# KiCad board Bread70.kicad_pcb (continued)
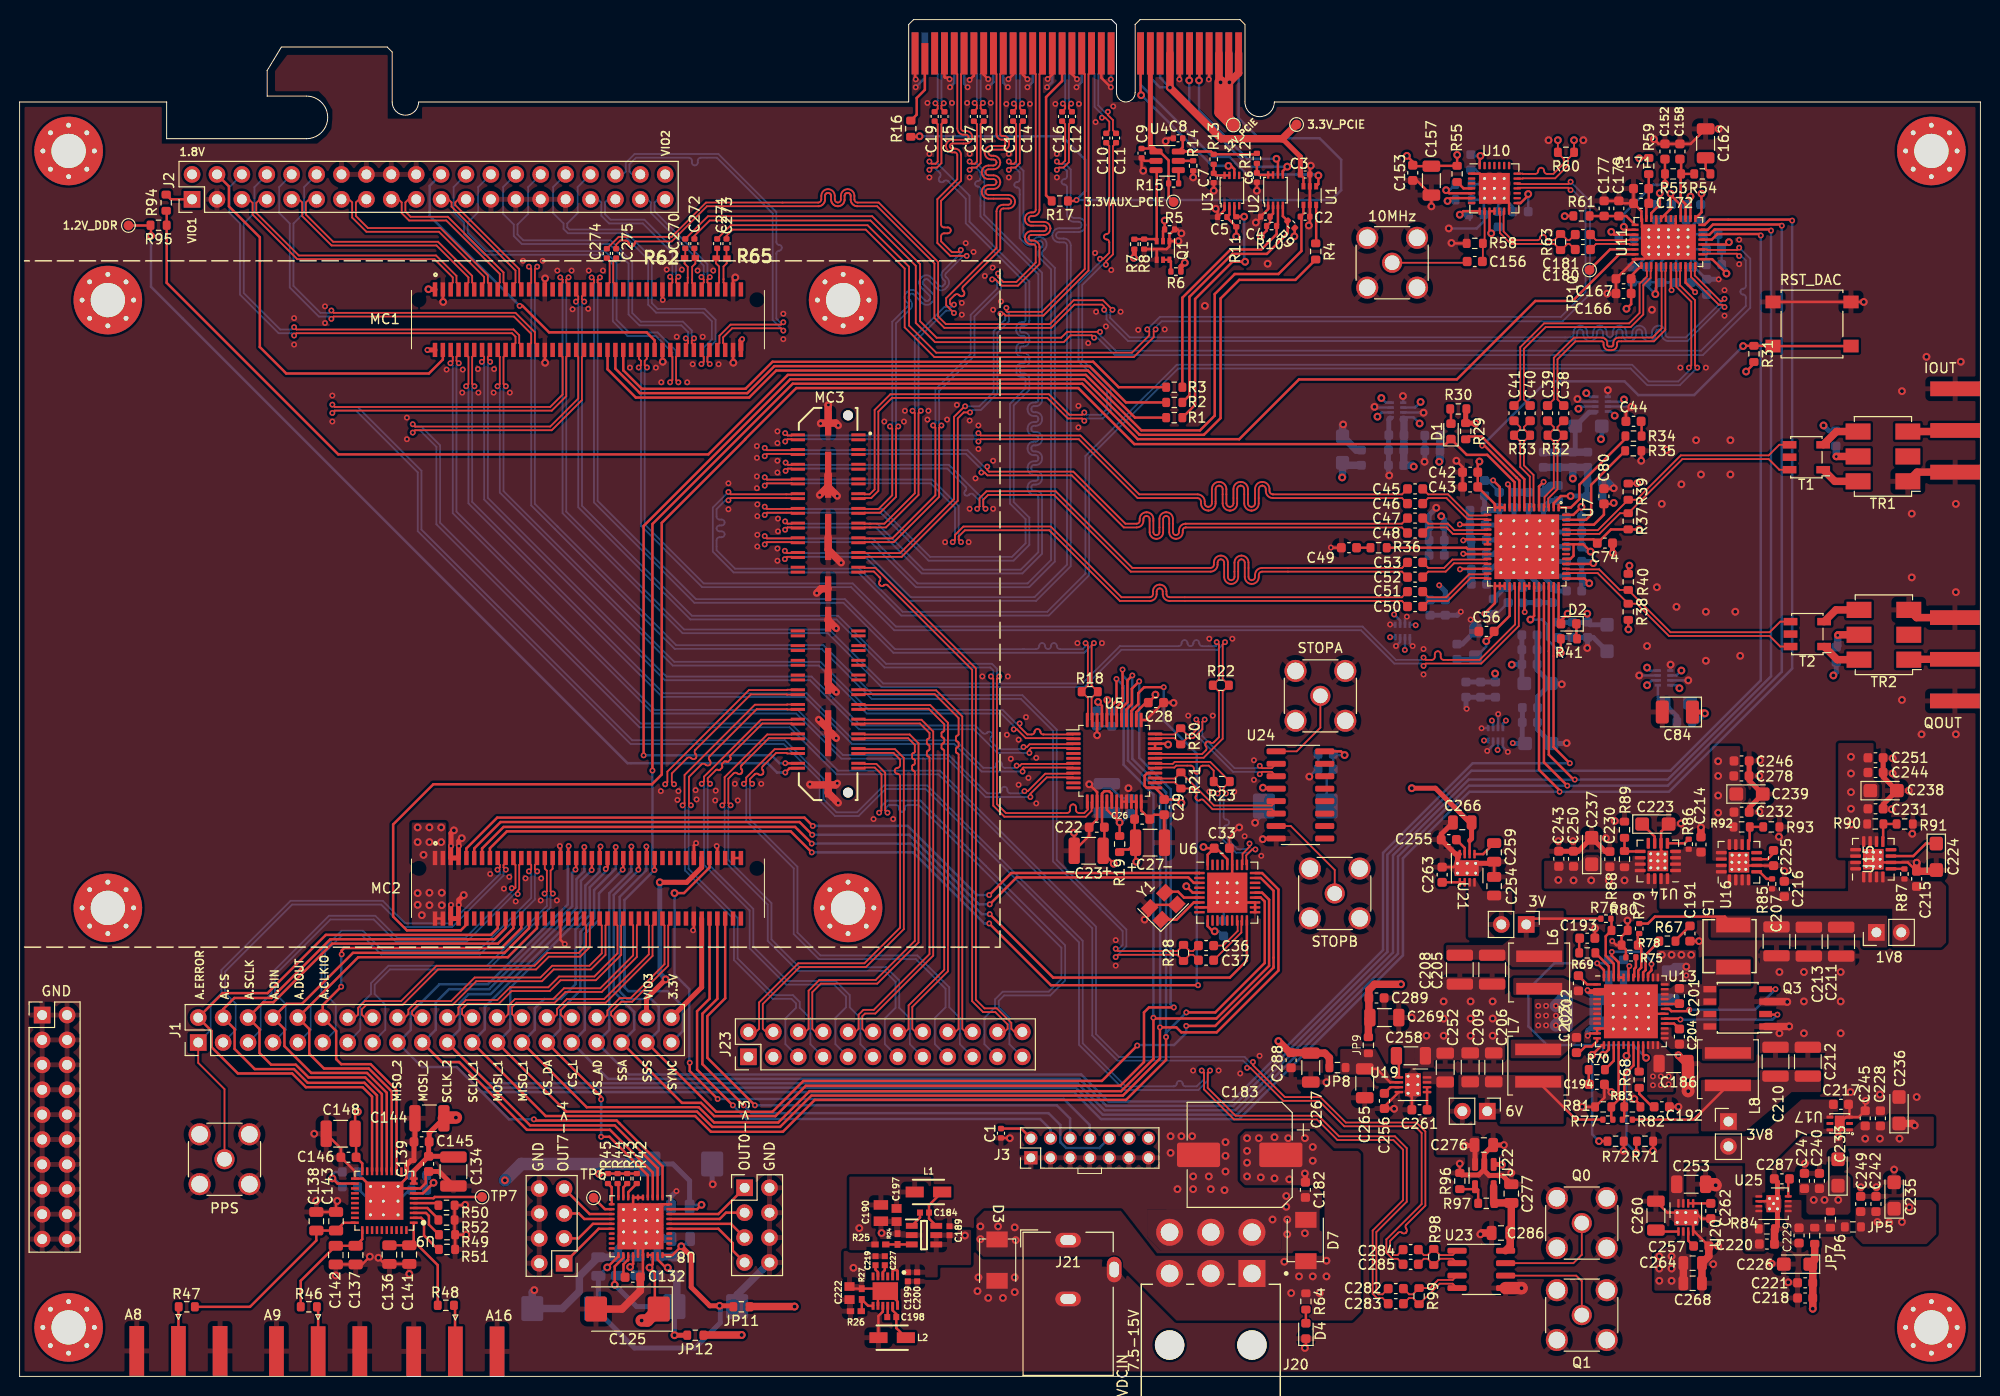
[diagram p0: board, top side]
## Nets (continued)
/MC12/B87_L1N: J4.32
/MC12/B87_L1P: J4.30
/MC12/B87_L2N: J4.12
/MC12/B87_L3N: J4.16
/MC12/B87_L3P: J4.14
/MC12/B87_L10N: J1.7 J4.23
/MC12/B87_L10P: J1.5 J4.21
/MC12/CLK+: C36.2 J5.25 R28.1
/MC12/CLK-: C37.2 J5.27 R28.2
/MC12/FRAMEAN: J5.20 U5.1
/MC12/FRAMEAP: J5.18 U5.2
/MC12/FRAMEBN: J5.12 U5.7
/MC12/FRAMEBP: J5.10 U5.8
/MC12/INT_CB: J4.11 U6.3
/MC12/JTAG_TCK: J3.6 J4.76
/MC12/JTAG_TDI: J3.10 J4.74
/MC12/JTAG_TDO: J3.8 J4.71
/MC12/JTAG_TMS: J3.4 J4.72
/MC12/LCLKINN: J5.43 R18.2 U5.48
/MC12/LCLKINP: J5.41 R18.1 U5.47
/MC12/LCLKOUTN: J5.39 U5.13
/MC12/LCLKOUTP: J5.37 U5.14
/MC12/LOL: J4.13 U6.18
/MC12/RSTIDXN: J5.35 R22.1 U5.32
/MC12/RSTIDXP: J5.33 R22.2 U5.31
/MC12/SDOAN: J5.16 U5.3
/MC12/SDOAP: J5.14 U5.4
/MC12/SDOBN: J5.8 U5.9
/MC12/SDOBP: J5.6 U5.10
/MC12/XADC_VN_C: J4.80
/MC12/XADC_VP_C: J4.78
/MC12/~{RST}: J4.9 U6.1
/PCIe/PCIE_C_RX0N: C16.1 J8.A17
/PCIe/PCIE_C_RX0P: C12.1 J8.A16
/PCIe/PCIE_C_RX1N: C18.1 J8.A22
/PCIe/PCIE_C_RX1P: C14.1 J8.A21
/PCIe/PCIE_C_RX2N: C17.1 J8.A26
/PCIe/PCIE_C_RX2P: C13.1 J8.A25
/PCIe/PCIE_C_RX3N: C19.1 J8.A30
/PCIe/PCIE_C_RX3P: C15.1 J8.A29
/PCIe/PCIE_PERST_B_3V3: J8.A11 U1.4
/PCIe/PCIE_PERST_VIO: C2.1 R94.2 R95.1 U1.1
/PCIe/PCIE_PRSNT1_B: J8.A1 R16.1 R17.1
/PCIe/PCIE_REFCLK_N: C10.2 J8.A14
/PCIe/PCIE_REFCLK_P: C11.2 J8.A13
/PCIe/PCIE_SMCLK_3V3: J8.B5 U2.6
/PCIe/PCIE_SMDAT_3V3: J8.B6 U2.5
/PCIe/PCIE_VIO_PG: Q1.3 R7.2 R8.1 U4.3
/PCIe/PCIE_WAKE_B_3V3: J8.B11 U3.6
/PCIE_PERST_B_VIO: R4.1 U1.3
/PCIE_SMCLK_VIO: R3.1 R10.2 U2.3
/PCIE_SMDAT_VIO: R2.1 R9.2 U2.4
/PCIE_WAKE_B_VIO: R1.1 R11.2 U3.3
/Power/Switching/DL1: Q3.4 U13.31
/Power/Switching/DL2: Q3.2 U13.29
/Power/Switching/SW1: C201.2 L5.1 Q3.5 Q3.6 U13.33 U13.34 U13.35
/Power/Switching/SW2: C204.2 L8.1 Q3.7 Q3.8 U13.25 U13.26 U13.27
/Power/Switching/VREG: C196.2 U13.14 U13.21 U13.39 U13.44 U13.45 U13.48
/SSA: J1.35 J4.53 U5.40
/SSS: J1.37 J4.55 U6.26
/Tdc/CLKIN+: C36.1 U6.16
/Tdc/CLKIN-: C37.1 U6.17
/Tdc/INTERRUPT: J4.15 U5.39
/Tdc/REFCLKN: R23.1 U5.30 U6.29
/Tdc/REFCLKP: R23.2 U5.29 U6.28
/Tdc/STOPAN: R20.2 U5.35 U24.2
/Tdc/STOPAP: R20.1 U5.36 U24.3
/Tdc/STOPBN: R21.1 U5.27 U24.5
/Tdc/STOPBP: R21.2 U5.26 U24.6
/Tdc/TVDD18: C26.1 C27.1 C28.2 R19.1 U5.22 U5.23 U5.38
/TTLgate/IN1_N: C285.1 R98.2 U23.2
/TTLgate/IN1_P: C284.2 R98.1 U23.1
/TTLgate/IN2_N: C283.1 R99.2 U23.4
/TTLgate/IN2_P: C282.2 R99.1 U23.3
/~{IRQ}: D1.1 J4.10 U7.10
ADA_3V3: C127.1 C130.1 C146.1 C148.1 C218.1 C221.1 C226.1 JP7.1 R42.1 R43.1 R44.1 R45.1 U8.9 U9.20
ADA_5V: C125.1 C128.1 C134.1 C139.1 C144.1 C145.1 C267.1 C288.1 JP8.2 U8.37 U8.38 U9.9 U9.10
DAC_REFCLK_N: C39.2 U11.5
DAC_REFCLK_P: C38.2 U11.6
DAC_SYSREF_N: C41.2 U11.2
DAC_SYSREF_P: C40.2 U11.3
FPGA10_N: C273.2 J5.75 R65.2
FPGA10_P: C271.2 J5.73 R65.1
FPGA_FREE_N: C272.2 J5.67 R62.2
FPGA_FREE_P: C270.2 J5.65 R62.1
FPGA_SYSREF_N: C275.2 J5.47
FPGA_SYSREF_P: C274.2 J5.45
IOVDD: C56.2 C57.2 C60.2 C61.2 C63.2 C66.1 C70.1 C233.1 C240.1 C247.1 D2.2 JP6.2 R29.2 R30.2 R31.1 U7.32 U7.42
MISO_1: J1.27 J4.45 U5.43 U6.23
MISO_2: J1.17 J4.35 U7.38 U8.11 U11.20
MOSI_1: J1.25 J4.43 U5.42 U6.27
MOSI_2: J1.19 J4.37 U7.39 U8.13 U11.19
PCIE_CLK_N: C10.1 J7.17
PCIE_CLK_P: C11.1 J7.19
SCLK_1: J1.23 J4.41 U5.41 U6.22
SCLK_2: J1.21 J4.39 U7.40 U8.12 U11.18
SYNC_CLOCKCHIP: J1.39 J4.57 U11.39
SYNCOUTB_N: J5.56 U7.33
SYNCOUTB_P: J5.54 U7.34
T1_N: J7.60 R60.2 U10.21
T1_P: J7.58 R60.1 U10.20
VDCIN: C182.1 C183.1 C185.1 C186.1 C187.1 C188.1 C189.2 C199.2 C200.2 D3.1 D7.1 IC1.4 IC1.5 IC2.1 IC2.2 J4.1 J4.2 J4.3 J4.4 J20.1 J20.2 J20.3 J21.1 R64.1 U13.6 U13.7 U13.22 U13.23 U13.24 U13.36 U13.37 U13.38
VIO1: C4.1 C5.1 J2.1 J5.1 Q1.2 R5.1 R9.1 R10.1 R11.1 R94.1 U2.2 U3.2
VIO2: J2.40 J5.80
VIO3: J1.38 J4.69
VREF1: J2.4 J5.4
Net-(C44-Pad2): C44.2 R34.2
Net-(C49-Pad1): C49.1 R36.1
Net-(C54-Pad2): C54.2 TR1.5
Net-(C55-Pad2): C55.2 TR2.5
Net-(C162-Pad2): C162.2 R54.1
Net-(C191-Pad2): C191.2 R67.1
Net-(C192-Pad2): C192.2 R68.1
Net-(C193-Pad2): C193.2 R69.1
Net-(C194-Pad2): C194.2 R70.1
Net-(C202-Pad2): C202.2 L6.1 U13.4 U13.5
Net-(C203-Pad2): C203.2 L7.1 U13.8 U13.9
Net-(D1-A): D1.2 R30.1
Net-(D2-K): D2.1 R41.1
Net-(D4-A): D4.2 R64.2
Net-(IC1-CB): C184.2 IC1.1
Net-(IC1-FB): IC1.3 R24.1 R25.2
Net-(IC1-SW): C184.1 IC1.6 L1.1
Net-(IC2-BST): C198.2 IC2.10
Net-(IC2-FB): IC2.7 R26.1 R27.1
Net-(IC2-LX): C198.1 IC2.11 L2.1
Net-(IC2-SS): C227.2 IC2.4
Net-(IC2-VCC): C219.1 IC2.5
Net-(J8-~{PRSNT2}-PadB17): J8.B17 R17.2
Net-(J8-~{PRSNT2}-PadB31): J8.B31 R16.2
Net-(J10-In): J10.1 R48.2
Net-(J11-In): J11.1 U24.1
Net-(J12-In): J12.1 U24.7
Net-(J13-In): J13.1 TR2.1
Net-(J14-In): J14.1 TR1.3
Net-(J16-In): J16.1 R46.2
Net-(J17-In): J17.1 R47.2
Net-(J18-In): J18.1 U23.6
Net-(J19-In): C156.1 J19.1
Net-(J22-In): J22.1 U23.7
Net-(JP5-A): C229.1 JP5.1 JP6.1 JP7.2 U25.5 U25.6 U25.7
Net-(Q1A-D): Q1.5 Q1.6 R6.2
Net-(SW1-B): R31.2 SW1.2 U7.9
Net-(T1-Pad1): T1.1 TR1.6
Net-(T1-Pad2): T1.2 TR1.4
Net-(T2-Pad1): T2.1 TR2.6
Net-(T2-Pad2): T2.2 TR2.4
Net-(U2-EN): C6.1 R12.1 U2.7 U2.8
Net-(U3-EN): C7.1 R13.1 U3.7 U3.8
Net-(U4-ILIM): R14.1 U4.5
Net-(U4-~{FAULT}): R15.1 U4.4
Net-(U6-XA): U6.6 Y1.3
Net-(U6-XB): U6.7 Y1.1
Net-(U7-I120): R35.1 U7.55
Net-(U7-LDO_BYP1): R36.2 U7.22
Net-(U7-LDO_BYP2): R34.1 U7.1
Net-(U7-PROTECT_OUT): R41.2 U7.37
Net-(U7-TXEN): R29.1 U7.8
Net-(U8-REF): C132.2 U8.33
Net-(U8-REFCMP): C131.2 U8.34
Net-(U9-REGCAPA): C135.2 C140.2 U9.7
Net-(U9-REGCAPD): C147.2 C149.2 U9.22
Net-(U10-EN): R55.2 U10.4
Net-(U10-IN0_N): C170.2 U10.10 U10.11
Net-(U10-IN0_P): C156.2 R58.1 U10.9
Net-(U10-IN1_N): R57.2 U10.6
Net-(U10-IN1_P): R56.2 U10.5
Net-(U11-BB): C173.2 U11.22
Net-(U11-BVCO): C176.2 U11.30
Net-(U11-CMa): C175.2 U11.24 U11.26 U11.27 U11.28
Net-(U11-STAT): TP10.1 U11.38
Net-(U11-Vcp+): C177.1 C179.1 R61.2 U11.33
Net-(U11-Vvco+): C171.1 C172.1 R59.2 U11.31
Net-(U13-BST1): C201.1 U13.32
Net-(U13-BST2): C204.1 U13.28
Net-(U13-BST3): C202.1 U13.1
Net-(U13-BST4): C203.1 U13.12
Net-(U13-CFG12): R71.1 U13.18
Net-(U13-CFG34): R72.1 U13.13
Net-(U13-COMP1): R67.2 U13.40
Net-(U13-COMP2): R68.2 U13.20
Net-(U13-COMP3): R69.2 U13.47
Net-(U13-COMP4): R70.2 U13.15
Net-(U13-FB1): R78.1 R79.1 U13.41
Net-(U13-FB2): R82.1 R83.1 U13.19
Net-(U13-FB3): R76.1 R80.1 U13.46
Net-(U13-FB4): R77.1 R81.1 U13.16
Net-(U13-RT): R75.2 U13.42
Net-(U14-ADJ): R88.2 R89.1 U14.9
Net-(U14-PG): R86.2 U14.5
Net-(U14-SS): C223.1 U14.7
Net-(U15-ADJ): R90.2 R91.1 U15.9
Net-(U15-PG): R87.2 U15.5
Net-(U15-SS): C224.1 U15.7
Net-(U16-ADJ): R92.2 R93.1 U16.9
Net-(U16-PG): R85.1 U16.5
Net-(U16-SS): C225.2 U16.7
Net-(U19-BP): C256.1 U19.3
Net-(U19-REF): C261.1 U19.5 U19.6
Net-(U19-VREG): C258.1 U19.1
Net-(U20-BP): C257.1 U20.3
Net-(U20-REF): C262.1 U20.5 U20.6
Net-(U20-VREG): C260.1 U20.1
Net-(U21-BP): C255.1 U21.3
Net-(U21-REF): C263.1 U21.5 U21.6
Net-(U21-VREG): C259.1 U21.1
Net-(U22-FB): R96.1 R97.2 U22.4
Net-(U25-SS): C287.2 U25.8

Pads without a net: H1 1; H2 1; H3 1; H4 1; H5 1; H6 1; H7 1; H8 1; IC2 3 6; J3 12 14; J8 A5 A6 A7 A8 A19 A32 B9 B12 B30; J23 1 3; T1 4; T2 4; TR1 2; TR2 2; U3 4 5; U5 5 6 11 12; U6 2 4 9 11 12 13 14 15 24 25 30 33 34 35; U7 48 49; U8 1 2 3 4 27 28 29 30; U9 12 19 26 27 28 29 38 39 40; U10 2 3 7 16 17 22 23 24 25 26 27; U13 17; U14 8; U15 8; U16 8; U17 2 5; U24 9 10 11 12 13 14 15

## Via types
v1: diameter 0.6, hole 0.3, Top to Bottom, 498 vias
v2: diameter 0.8, hole 0.4, Top to Bottom, 407 vias

## Routing (per net, layer and track width the routed paths; a pad name or vN(x,y) marks a point on that pad's centre or on a via; arc(x,y) is an arc through that point)
3V3: length 43.6
  Top w0.25: v2(126.82,60.05) 126.92,59.95 U24.4 ; v2(110,68.8) 110.4,68.4 U5.45
  Top w0.254: v2(111.6,52.3) 110.52,53.38 C23.1 110.65,53.74 C22.1 110.4,56.26 U5.16 110.4,59.45 110.64,59.69 111.14,59.69 111.4,59.44 U5.18 ; U6.5 119.66,49.34 v2(119,50) ; U5.28 115.02,61.54 114.76,61.28 114.76,60.24 114.96,60.04 U5.25 116.75,59.1 C29.2 118.16,58.84 v2(118.5,58.5) ; U6.10 121.18,45.93 121.71,45.4 v2(121.9,45.4) ; 123.18,52.18 123.18,52.76 122.06,53.88 C33.2 ; v2(117.15,64.45) 117.06,64.54 U5.34 U5.33 ; v2(120.75,54) 120.87,53.88 C33.2 ; v2(135.15,63.38) 134.77,63.76 U24.16 ; C33.2 121.18,53.22 121.18,52.18
  Top w0.762: C268.1 C264.1
  Bottom w0.25: C21.2 110,68.01 v2(110,68.8)
  Bottom w0.254: C34.1 133.32,61.25 C35.1 C32.1 134.09,63.38 v2(135.15,63.38) ; C30.1 122.32,45.4 v2(121.9,45.4)
  vias: v2(167.25,12.25) v2(167.25,11) v2(167.25,9.75) v2(168.5,12.25) v2(168.5,11) v2(168.5,9.75)
5V: length 4.1
  Top w0.254: U19.2 139.8,30 138.43,31.38 C265.1
+1.2V_DDR: length 95.2
  Top w0.25: TP4.1 13.33,117.4 R95.2
  Top w0.254: R95.2 13.4,117.38 v2(13.4,116.35) ; v1(78.1,61.6) 78.54,62.04 J7.80
  Bottom w0.254: v2(13.4,116.35) 13.4,111.15 62,62.55 76.3,62.55 77.25,61.6 v1(78.1,61.6)
+1.8V: length 197.6
  Top w0.254: J3.2 102.17,25.28 C1.1
  Top w0.508: v1(41.6,104.7) 41.6,104.7 J5.2
  In2.Cu w1.27: J3.2 103.15,27.55 105.6,30 105.6,35.35 101.35,39.6 74.55,39.6 71.65,42.5 39.25,42.5 35.45,46.3 35.45,60.9 41.6,67.05 v1(41.6,104.7) 32.3,104.7 30.6,103 19.6,103 15.2,107.4 15.2,121.2 16.61,122.61 J2.2
+3.3V: length 203.2
  Top w0.508: J4.70 69.57,39.69 J1.40 ; R7.1 113.7,114.15 v2(113.65,114.1) ; R6.1 118.45,113.2 v2(118.85,113.6)
  In3.Cu w2.032: v2(113.65,114.1) 118.05,114.1 118.8,113.35 118.8,98.9 98,78.1 35.1,78.1 31,74 31,48 36.75,42.25 67.5,42.25 68.5,41.25 68.5,38.62 J1.40
/AD9152/AVDD33: length 42.4
  Top w0.254: v2(160.52,82.96) 160.44,82.88 U7.46 ; v2(164.2,82.7) 164.08,82.58 R40.2 ; U7.43 159.62,81.38 v2(160.1,80.9) ; v2(162.6,89.1) 162.5,89 C80.2 161.6,87.9 160.58,86.88 U7.54 ; v2(165,91.1) 164.97,91.07 R39.2 ; v2(164.1,76.2) 164.08,76.22 R38.2 ; U7.51 160.55,85.38 C74.2 162.32,86.4 R37.2 165.2,86.4 v2(165.2,86.4)
  Top w0.508: v2(171.9,67.63) 171.76,67.77 C84.1
  Top w0.762: C236.1 193.1,25.8 v2(193.3,25.6)
  Bottom w0.254: v2(166,72.3) 166.3,72 C58.4 ; v2(169.3,70.2) 169,70.5 C58.8 ; C58.2 166.5,71 v2(166,70.5) ; C58.6 169,71.5 v2(169.5,72)
  Bottom w0.508: v2(171.9,67.63) 171.04,66.77 C77.2 170.59,68.48 C86.1 ; v2(160.52,82.96) 160.35,83.13 C71.2 C67.2 159.33,80.9 ; C54.1 184.54,96.45 v2(184,97) ; C55.1 185.3,71.8 v2(185,71.5) ; v2(160.1,80.9) 159.33,80.9 ; 159.33,80.9 C62.2
  vias: v2(188.25,24.25) v2(189.75,24.25) v2(191.75,24.25)
/AD9152/DVDD12: length 30.4
  Top w0.25: U7.36 U7.35 153.48,78.01 v1(153.52,77.97)
  Top w0.254: U7.11 151.98,90.82 v1(151.8,91)
  Bottom w0.25: C106.2 153.52,78.73 v1(153.52,77.97) ; C88.6 150.79,63.94 v1(150.75,63.9) ; C88.8 v1(149.37,64.86) ; v1(150.18,66.9) 150.29,66.78 C88.2
  Bottom w0.254: C88.4 151.29,66.59 v1(151.6,66.9) ; v1(151.8,91) 151.8,90.81 C120.2
  Bottom w0.508: v1(152.3,64.6) 152.34,64.56 C124.1 153.27,64.85 C91.2 153.28,66.72 C96.2 ; C117.2 C107.2 C112.2 ; C102.2 C97.2 C92.2 150.53,71.67 v2(150.5,71.7) ; C112.2 152.23,72.63 v2(152.2,72.6) ; C112.2 153.23,70.93 C121.1 ; C101.2 154.84,78.93 C111.2 C106.2
  Bottom w0.762: C120.2 C116.2
  vias: v2(173.25,62.75) v2(173.25,61.25) v2(173.25,59.25) v2(173.25,57.5)
/AD9152/DVDD12_CLK: length 37.4
  Top w0.254: 158.5,84.88 158.5,83.71 158.17,83.38 U7.47 ; 158.5,84.88 U7.50 ; 158.5,84.88 159.49,84.88 v2(160.23,84.13) ; U7.5 154.98,90.78 v1(155.45,91.25) ; U7.2 156.48,89.07 157.21,89.8 v2(158.2,89.8) ; U7.56 158.48,87.88 v2(159.3,88.7)
  Bottom w0.254: C89.8 160.17,99.93 v2(159.8,100.3) ; v2(160.23,84.13) 159.83,84.13 C109.2 ; v2(162.7,98) 162.27,98.43 C89.4 ; C93.2 155.43,91.23 v1(155.45,91.25) ; v2(159,98.7) 159.23,98.93 C89.6 ; C94.2 159.3,87.66 v2(159.3,88.7) ; v2(163.64,99.65) 163.42,99.43 C89.2
  Bottom w0.508: v2(158.2,89.8) 159.81,89.8 C104.2 C99.2 ; C94.2 C114.2 C109.2 ; C122.1 161.38,95.68 v2(161.3,95.6)
  Bottom w0.762: C98.2 156.13,90.88 C93.2 ; v2(158.43,91.58) C113.2 ; C113.2 C103.2 159.93,91.28 C99.2 ; C113.2 C108.2 C118.2
  vias: v2(186.8,63.2) v2(186.8,61.5) v2(186.8,59.6) v2(186.8,57.9) v2(186.8,56.3)
/AD9152/DVDD12_SERDES: length 72.1
  Top w0.25: v1(149.4,77.8) 150.48,78.88 U7.29 U7.30 U7.31 ; U7.13 150.98,90.72 v1(150.3,91.4) ; U7.13 U7.14 150.48,88.98 C43.1 C42.1 148.73,93.15 v2(148.9,93.32) ; U7.13 U7.12 ; U7.17 146.93,86.88 v1(146.9,86.91) ; v1(147.25,83.91) 147.29,83.88 U7.23 ; U7.26 146.98,82.38 v1(146.92,82.32) ; v1(147.25,85.28) 147.36,85.38 U7.20 U7.21
  Bottom w0.25: v1(147.25,83.91) 147.97,83.91 C64.2 ; v1(150.3,91.4) 149.45,91.4 C79.2 ; C85.2 150.66,77.75 C83.2 150.28,77.8 v1(149.4,77.8) ; v1(147.25,85.28) 148.01,85.28 C72.2 ; v1(146.92,82.32) C75.2 C68.2 ; C110.2 146.98,86.83 v1(146.9,86.91)
  Bottom w0.254: C82.2 149.73,91.38 C79.2 ; C59.4 142.35,76.67 v1(142.4,76.62) ; v1(141.29,74.1) 141.31,74.12 C59.6 ; v1(139.79,75.4) 139.79,75.4 C59.8 ; C87.8 142.17,97.83 v2(142.8,97.2) ; C87.4 139.37,99.33 v2(138.9,99.8) ; v2(138.5,97.9) 138.93,98.33 C87.2 ; v2(142.9,99.4) 142.33,98.83 C87.6 ; v1(140.2,77.72) 140.81,77.11 C59.2
  Bottom w0.508: C78.2 C81.2 145.42,80.08 v1(144.8,80.7) ; v2(145,87.74) 145.32,87.43 C115.2 C76.2 C73.2
  Bottom w0.762: v2(142.2,92.8) 142.06,92.94 C105.2 141.18,92.95 C90.2 141.21,94.5 C100.2 141.21,97.58 141.18,97.61 141.12,97.61 ; C65.2 C69.2 144.88,93.38 v2(144.8,93.3) ; C75.2 C68.2 ; C119.2 C110.2 147.93,85.44 C72.2 C64.2 ; v2(134.9,91.7) 134.94,91.74 C123.1 135.19,92.94 C95.2
  vias: v2(156.95,50.64) v2(158.5,50.6) v2(160.3,50.6) v2(162.1,50.6) v2(163.7,50.6)
/Adc_Dac/VCC: length 36.9
  Top w0.25: U8.40 66.59,12.37 v2(67.49,13.27)
  Top w0.254: U8.31 61.08,12.26 v2(59.94,11.12)
  Top w0.508: JP11.2 72.7,7.2 v2(71.4,7.2) 70.4,7.2 68.5,9.1 68.5,12.26 v2(67.49,13.27)
  Bottom w0.25: v2(67.49,13.27) 67.64,13.27 C129.1
  Bottom w0.254: v2(59.94,11.12) 59.89,11.12 C133.1
  Bottom w0.508: C133.1 59.03,7.26 C281.1 62.71,2.9 68.9,2.9 71.47,5.47 71.47,7.13 v2(71.4,7.2)
/Clocks/VCC25: length 134.6
  Top w0.25: v2(149,124.5) 148.93,124.43 U10.28 ; 146.63,124.5 v2(146.63,124.6) R55.1
  Top w0.254: R55.1 144.04,123.49 C157.1 142.2,123.45 C153.1 142.1,123.9 v2(141.5,124.5) ; U10.8 147.26,118.86 v2(146.9,118.5) ; v2(153.88,120.61) 153.88,120.46 153.1,119.69 U10.15 ; U21.2 147.9,54.65
  Top w0.508: 147.9,54.65 148.1,54.85 C266.1 147.91,56.5 144.41,60 v2(142,60)
  In2.Cu w2.032: v2(141.5,124.5) v2(149,124.5) 153,124.5 153.88,123.62 v2(153.88,120.61) 153.88,116.78 147.8,110.7 ; 147.8,110.7 147.8,117.6 147.01,118.39 146.9,118.39 ; 147.8,110.7 143.4,106.3 132.2,106.3 127.9,102 127.9,84.9 138,74.8 138,64 v2(142,60)
  Bottom w0.25: 147.93,117.96 147.93,118.39 147.8,118.51 ; v2(149,124.5) 148.16,124.5 C161.2
  Bottom w0.254: v2(146.9,118.5) 147.79,118.5 C168.2 ; v2(153.88,120.61) C165.2
/MC12/GNDADC: length 0.8
  Top w0.254: J4.77 J4.79
/PCIe/+3.3V_PCIE_C: length 33.7
  Top w0.254: U1.6 130.95,122.29 C3.1
  Top w0.508: 128.8,126.25 130.64,124.41 C3.1
  Top w0.762: J8.B8 v2(117.34,131.47) 122.55,126.25 128.8,126.25 TP3.1
  Bottom w0.254: J8.A9 116.34,132.47 v2(117.34,131.47) 117.3,131.5 116.3,131.5 115.34,132.47 J8.A10
/PCIe/+3.3VAUX_PCIE: length 9.7
  Top w0.254: R12.2 126.1,124.66 R13.2 121.52,124.94 U4.6 118.64,125.39 C8.1
/PCIe/+3.3VAUX_PCIE_C: length 18
  Top w0.254: TP2.1 117.2,120.3 R15.2 117.2,124.03 116.29,124.94 U4.1 115.6,125.25 C9.1
  Top w0.508: U4.1 115.34,125.52 J8.B10
/PCIe/+12V_PCIE_C: length 25.6
  Top w0.762: TP1.1 123.4,128.05 v2(123.4,132) ; v2(123.4,132) v2(122.5,132) 122.34,132.16 J8.A3 ; v2(123.4,132) 124.34,132.94 J8.B1 ; v2(123.4,132) 123.34,132.06 J8.A2
  Top w1.27: v2(122.5,132) 122.5,128.95 TP1.1
  Bottom w0.762: J8.A3 122.34,132.16 v2(122.5,132) ; J8.A2 123.34,132.06 v2(123.4,132)
/Power/LDO/6V: length 8.4
  Top w0.508: U22.3 148.45,23.55 C276.1 148.35,23.55 v2(147.45,23.55) ; v2(151.2,21.6) 151.17,21.63 U22.1
  In2.Cu w0.508: v2(151.2,21.6) 149.4,21.6 v2(147.45,23.55)
/Power/Switching/1V8: length 10.2
  Top w0.254: L5.2 173.94,46.9 166.8,46.9 166.09,46.19 R79.2
/Power/Switching/3V: length 7.9
  Top w0.254: R76.2 154.26,46.69 JP2.1
/Power/Switching/3V8: length 11.2
  Top w0.254: R82.2 170.76,26.19 L8.2
/Power/Switching/6V: length 8.2
  Top w0.254: R77.2 158.75,26.19 L7.2
/Power/Switching/10.5V: length 15.4
  Top w0.762: v2(79.05,7.12) 74.47,7.12 JP11.1
  In2.Cu w0.762: v2(79.05,7.12) 79.08,7.12 85.65,13.7 v2(85.65,15.12)
/Power/Switching/-10.5V: length 25.9
  Top w0.25: IC2.13 88.49,8.7 89.55,7.64 IC2.12 ; IC2.13 88.05,8.95 R27.2 84.87,8.95 C222.1 ; IC2.13 87.55,7.95 IC2.8
  Top w0.762: JP12.1 69.78,4.22 v2(73.65,4.22)
  In2.Cu w0.762: v2(73.65,4.22) 78.22,4.22 85.05,11.05 v2(85.05,11.07)
/Power/Switching/VDD: length 2.1
  Top w0.254: U13.43 164.1,41.76 v1(164.19,41.85)
  Bottom w0.254: C195.2 164.19,41.91 v1(164.19,41.85)
/Tdc/DVDD18: length 26.6
  Top w0.25: U5.17 110.9,57.8 v2(112.2,56.5) ; U5.19 111.9,56.8 v2(112.2,56.5) ; v2(112.2,56.5) 112.2,56.5 R19.2
  Top w0.254: U5.44 110.9,68.95 v2(110.95,69)
  In3.Cu w0.25: v2(110.95,69) 112.2,67.75 v2(112.2,56.5)
  Bottom w0.25: C25.1 111,57.42 C24.1 112.38,56.5 v2(112.2,56.5)
  Bottom w0.254: C20.2 110.95,68.32 v2(110.95,69)
GND: length 777.9
  Top w0.182: v2(124.4,56) 123.4,55 C33.1
  Top w0.25: U13.49 U13.49 U13.49 ; U13.49 U13.49 U13.49 U13.49 ; 174.82,53.33 174.82,51.93 175.49,51.93 ; 174.82,53.33 175.49,53.33 175.49,51.93 ; 174.82,53.33 176.17,53.33 176.17,51.93 175.49,51.93 ; U21.9 U21.9 ; U21.9 U21.9 ; U21.9 U21.9 ; 166.41,53.27 167.81,53.27 167.81,51.92 ; C217.2 186.65,27.65 U17.3 ; U24.8 126.87,54.87 v2(126.8,54.8) ; U13.49 U13.49 ; 174.82,52.63 176.17,52.63 ; v2(188.3,28.1) 188.25,28.05 C245.2 187.6,26.45 U17.3 ; C132.1 63.58,10.38 U8.36 63.58,13.26 U8.41 ; U20.9 U20.9 ; U19.9 U19.9 U19.9 ; J5.59 65.57,109.83 v1(65.6,109.8) ; U6.37 U6.37 ; 166.41,52.59 167.81,52.59 ; U5.46 109.9,65.4 v2(109.9,65.4) ; IC2.9 88.05,6.61 87.6,6.16 L2.2 ; R49.2 45.55,14.45 v2(45.55,14.45) ; J8.B26 97.34,132.69 v1(96.9,132.25) ; U20.9 U20.9 ; U17.3 186.3,26.45 U17.7 185.65,24.55 v2(185.5,24.4) ; U8.35 63.08,13.26 U8.41 ; 188.43,53.65 189.78,53.65 189.78,52.25 188.43,52.25 ; U19.9 U19.9 ; U10.29 U10.29 U10.29 ; U13.49 U13.49 ; 188.43,52.95 189.78,52.95 ; U8.41 U8.41
  Top w0.254: 167.1,53.27 167.1,52.59 ; v2(53.6,112) 53.57,111.97 J5.29 ; C49.2 133.77,84.53 v1(133.75,84.55) ; U4.2 114.74,123.99 C9.2 114.44,123.15 v2(114.61,122.98) ; v2(53.6,103.4) 53.57,103.43 J5.30 ; U14.17 167.08,51.88 U14.17 ; v2(164.4,98.9) 163.84,98.34 C44.1 ; U11.41 U11.41 U11.41 U11.41 ; U20.9 U20.9 ; v1(111.3,131.5) 110.34,132.47 J8.B13 ; v2(165.4,93.4) 165.42,93.42 R35.2 ; C215.2 192.6,52.43 189.96,52.43 189.78,52.25 ; U6.19 U6.20 U6.21 U6.37 ; v2(160.7,45.7) 160.68,45.67 C193.1 ; v2(144,119.35) C157.2 142.5,122 C153.2 ; v1(69,54.4) 68.77,54.17 J4.67 ; C1.2 100.98,24.32 v2(101,24.3) ; R75.1 163.84,43.55 R78.2 ; C141.2 C136.2 37.23,11.47 v2(36.6,12.1) ; v2(163.6,23) 163.62,23.02 R72.2 ; v1(71.1,54.1) 71.17,54.03 J4.73 ; v1(162.45,44.4) 162.86,43.99 R78.2 ; v1(159.95,34.75) 160.19,34.99 U13.11 U13.10 162.5,35.49 U13.49 ; v2(164.7,28.3) 165.33,27.67 R83.2 ; C7.2 v2(121.8,120.95) ; v2(122,119.1) 122.19,118.91 C5.2 122.19,118.26 122.9,118.97 U3.1 ; v2(166.6,23) 166.62,23.02 R71.2 ; U5.37 114.9,66.95 C28.1 117.67,68.73 v2(117.7,68.7) ; J8.B25 98.34,132.78 v1(98.8,132.32) ; U6.37 121.68,47.84 U6.8 ; C262.2 171.55,16.1 U20.9 ; Q1.1 v2(118.2,115.8) ; Q1.1 117.28,115.28 116.99,114.99 116,114.99 ; Q1.1 117.28,116.47 R5.2 118.1,117 v2(118.5,116.6) ; J4.34 55.17,44.53 v1(55.6,44.1) ; 189.11,53.65 189.11,52.95 ; U8.41 62.58,16.06 U8.17 U8.16 U8.15 ; C191.1 v2(171.3,44.4) ; U14.17 167.43,53.67 U14.6 167.43,55.57 C223.2 ; U13.30 164.6,36.99 U13.49 ; 114.4,58.8 114.4,58.8 U5.24 114.4,57.72 C26.2 115.73,57.29 C29.1 116.75,54.47 C27.2 ; v2(146.55,93.4) 147.18,92.77 C42.2 C43.2 ; v2(131.5,117.4) 131.6,117.5 C2.2 U1.2 U1.5 C3.2 131.6,123.4 v2(131.7,123.5) ; 189.11,52.25 189.11,52.95 ; v1(107.85,132.33) 107.34,132.84 J8.B16 ; J8.B22 101.34,132.8 v1(100.86,132.32) ; U11.41 165.7,113.98 164.8,113.98 U11.40 164.78,113.91 162.83,111.96 C166.2 ; v2(73,112.1) 72.77,111.87 J5.77 ; U11.41 U11.41 ; U11.41 U11.41 ; U11.41 165.75,116.96 165.48,117.23 165.48,118.06 U11.32 165.43,118.85 164.62,119.66 ; U11.25 168.93,117.21 U11.41 ; C148.2 32.77,23.25 C146.2 34.2,20.92 U9.21 35,20.17 U9.41 ; R14.2 v2(119.7,122.3) ; R78.2 163.4,44.87 R80.2 164.03,46.47 v2(164,46.5) ; v2(162.35,29) 161.65,29.7 C194.1 161.65,28.44 R81.2 159.41,27.49 v2(159.4,27.5) ; U13.2 162.1,39.49 U13.49 ; J4.68 68.77,45.57 v1(68.7,45.5) ; v2(107.55,55.45) 107.57,55.43 C23.2 109.09,55.14 C22.2 109.9,56.82 U5.15 109.9,59.6 v2(109.1,60.4) ; C260.2 168.06,16.71 U20.9 ; C263.2 146.27,51.95 U21.9 ; v2(65.6,103.5) 65.57,103.53 J5.60 ; U10.29 148.93,122.69 U10.1 ; Y1.2 117.98,48.1 115.58,48.1 Y1.4 115.26,47.11 v2(114.75,46.6) ; v2(32.4,17.9) 32.28,17.78 C143.2 C138.2 ; 164.62,119.66 C171.2 164.62,121.16 ; 164.62,119.66 163.37,119.66 C179.2 C177.2 ; U14.17 U14.17 ; U14.17 167.8,51.88 U14.17 ; U14.17 166.4,51.88 U14.17 ; J8.A4 121.34,132.34 v1(121.3,132.3) ; U10.14 151.93,119.69 U10.29 ; v2(43.2,109.6) 43.17,109.63 J5.3 ; 116,114.99 115.98,114.97 Q1.4 ; 116,114.99 R8.2 ; C6.2 v2(126.2,120.94) ; U19.9 U19.9 ; v2(126.1,117.7) 126.59,118.19 C4.2 127.35,119.07 U2.1 ; v2(72.8,103.4) 72.77,103.43 J5.78 ; 167.1,52.59 167.1,52.59 167.1,51.92 ; U19.4 139.21,27.53 C256.2 140.18,27.33 v2(140.2,27.3) ; U20.9 170.7,15.47 U20.4 170.82,14.78 C257.2 ; SW1.1 SW1.1 v2(188.1,109.6) ; J8.B21 102.34,132.78 v1(102.8,132.32) ; U5.20 U5.21 ; U8.41 65.58,17.56 U8.10 ; v2(35.73,12.21) 34.94,11.42 C137.2 C142.2 ; C162.1 170.44,125.72 C158.1 C152.1 167.18,125.72 v2(166.7,126.2) ; v2(45.45,17.5) 45.4,17.45 R50.2 R52.2 44.37,14.5 R49.2 R51.2 ; U11.29 166.93,117.21 167.18,116.96 ; J8.B29 94.34,132.55 94.4,132.48 94.7,132.48 v1(94.85,132.33) ; U19.9 U19.9 142.01,28.49 C261.2 ; D4.1 131.2,3 v2(131.1,2.9) ; v1(118.3,132.31) 118.34,132.34 J8.B7 ; U25.9 178.22,17.87 U25.2 ; J8.B32 91.34,132.37 v1(91.4,132.31) ; U9.11 39.45,20.22 U9.41 38.8,19.17 U9.8 40.88,19.17 41.42,19.71 41.42,20.6 C139.2 ; R96.2 v2(146.9,21.7) ; v2(116.9,126) 117.19,126.29 C8.2 ; 123.68,53.59 123.68,50.84 U6.37 ; v2(162.6,90.6) 162.55,90.55 C80.1 ; J4.33 55.17,54.03 v1(55.1,54.1) ; C192.1 v2(169.2,27.5) ; 176.17,51.93 176.34,52.1 178.9,52.1 C225.1 ; v1(104.86,132.34) 105.34,132.81 J8.A18 ; v2(146.05,115.61) 146.09,115.58 R58.2 ; C254.2 C259.2
  Top w0.508: C231.2 190.08,58.35 C238.2 190.08,61.15 C244.2 C251.2 ; C266.2 145,55.3 C255.2 146.48,53.27 146.82,53.27 146.66,53.11 U21.9 ; C144.2 40.33,24.03 C145.2 40.22,22.03 39.92,22.03 39.48,21.58 39.48,20.92 ; C243.2 C250.2 158.97,53.56 C237.2 161.75,53.54 C230.2 ; 175.49,52.63 176.16,52.63 176.17,52.63 ; C287.1 179.3,19.82 U25.9 ; R96.2 147.1,20.55 148.82,20.55 149.4,21.13 U22.2 ; C74.1 162.47,84.03 v2(162.5,84) ; v2(45.1,54.9) 44.8,54.6 v1(44.8,54.1) 44.77,54.07 J4.7 J4.5 43.97,54.07 v1(44,54.1) 44,55.4 v2(44.3,55.7) ; U21.9 150.24,52.34 C259.2 ; 162.1,34.99 U13.49 ; U7.57 U7.57 ; C246.2 176.41,61.26 C278.2 176.4,60.8 C239.2 176.42,58.02 C232.2 ; C277.2 151.25,20.5 149.89,20.5 149.4,20.99 U22.2 ; v2(151.4,23.6) C276.2 149.4,22.7 U22.2 ; 160.9,39.25 160.08,39.25 v1(159.92,39.4) ; C134.2 42.77,20.9 C139.2 ; v1(44,48.1) 43.97,48.07 J4.6 J4.8 44.77,48.07 v1(44.8,48.1) 44.8,48.6 v2(45.3,49.1) ; R84.2 179.3,15.3 U25.9
  Top w0.762: TR1.1 193.54,92.24 197.48,92.24 ; Q3.3 180.27,38.23 v2(180.3,38.2) ; Q3.1 180.49,35.69 v2(180.5,35.7) ; J7.G8 83.24,60.34 v1(83.4,60.5) ; J7.G8 82.47,59.53 v1(83.5,58.5) ; J7.G8 80.66,60.34 v1(80.6,60.4) ; C224.2 195.38,51.53 C215.2 v2(193.5,52.4) ; v1(83.3,69.8) 82.47,70.63 J7.G6 ; v1(82.5,99.1) 82.47,99.07 J7.G1 ; J7.G5 82.47,77.13 v1(83.3,76.3) ; J7.G1 83.26,97.24 v1(83.5,97) ; J7.G1 81.74,97.24 v1(81.7,97.2) ; v1(81.5,67) 82.47,66.03 J7.G7 82.79,65.61 v1(83.3,65.1) ; v1(81.3,79.9) 81.75,80.35 J7.G4 ; v1(81.6,89.9) 82.47,90.77 J7.G2 82.47,90.73 v1(83.4,89.8) ; R84.2 179,15 C220.2 ; v1(83.8,83) 82.47,84.33 J7.G3 ; C286.2 149.13,14.63 v2(149,14.5) ; v2(169.2,32.75) 170.05,31.9 170.18,31.9 ; C125.2 61.44,6.87 63.31,8.75 C132.1 ; 160.9,39.25 162.34,39.25 U13.49 ; C268.2 C264.2 172.3,12.25 C257.2 ; U13.49 U13.49 ; J13.2 193.49,77.4 TR2.3 ; U13.49 162.31,35.2 ; C214.2 v2(171.5,56)
  Top w1.27: v2(153.2,9) 153.19,9.01 U23.5 ; v2(173,19.5) 172.9,19.6 C253.2 ; v2(170.2,29.1) 170.18,29.12 170.18,30.17 v2(170.2,30.2) 170.18,30.22 170.18,31.9
  In4.Cu w0.508: U13.49 U13.49 ; U13.49 U13.49 ; U13.49 U13.49 U13.49 U13.49 U13.49 ; U13.49 U13.49 U13.49 U13.49 U13.49
  Bottom w0.25: v1(150.82,67.56) 150.79,67.54 C88.3 ; v2(109.9,65.4) 109.9,66.3 C21.1 ; C88.1 149.14,66.13 v1(149.12,66.11)
  Bottom w0.254: C89.7 159.17,99.43 v2(158.9,99.7) ; C176.1 166.98,117.16 U11.41 ; U10.29 152.33,119.29 C165.1 ; v2(141.1,100) 141.13,99.97 C87.5 ; J8.A28 95.34,131.94 v1(94.9,131.5) ; C151.1 171.23,113.41 U11.41 170.48,114.16 C154.2 170.85,113.14 C155.1 ; C151.1 C150.2 ; C151.1 172.08,113.39 ; C58.3 v2(165.2,71.5) ; v1(139.79,76.7) 139.81,76.67 C59.1 ; C174.1 165.32,116.1 U11.41 ; v2(138.2,98.9) 138.27,98.83 C87.3 ; v2(168.4,72.6) 168.37,72.57 C58.5 ; C140.1 39.73,20.5 U9.41 ; U9.41 39.73,19 C135.1 ; J8.A12 111.34,132.34 v1(111.3,132.3) ; v2(145.78,117.1) 148.62,117.1 149.35,117.83 C168.1 149.35,120.11 U10.29 149.25,120.01 R57.1 ; v1(96.7,131.5) 96.34,131.87 J8.A27 ; v2(164.4,98.9) 164.37,98.93 C89.3 ; v1(140.39,74.5) 140.81,74.92 C59.7 ; v1(121.3,132.3) 121.34,132.34 J8.A4 ; C159.2 167.48,113.76 U11.41 ; U11.41 168.98,114.26 C160.1 ; C164.1 165.98,113.26 U11.41 ; C87.7 143.17,98.33 v2(143.2,98.3) ; C150.2 172.05,116.16 C169.2 170.48,116.51 U11.41 ; C150.2 170.43,114.96 U11.41 ; v2(126.02,56.48) 126.92,57.38 C34.2 ; v1(149.7,63.8) 150.29,64.39 C88.7 ; v1(151.8,63.7) 151.29,64.2 C88.5 ; C89.1 v2(162,100.6) ; C175.1 168.48,117.26 U11.41 ; C58.1 167.1,69.27 C86.2 ; C163.2 164.88,113.16 U11.41 ; C58.7 v2(170.2,71) ; v1(142.09,74.5) 141.81,74.78 C59.5 ; J8.A24 99.34,132.03 v1(98.8,131.5) ; C161.1 148.53,123.08 U10.29 ; v1(104.8,131.5) 105.34,132.03 J8.A18 ; J8.A15 108.34,132.03 v1(107.8,131.5) ; v2(131.55,61.18) 132.3,61.93 C35.2 C32.2 ; C170.1 150.83,119.79 U10.29 ; C178.1 171.2,117.99 U11.41 169.98,117.16 C173.1 ; C30.2 122.8,47.96 U6.37 ; v1(102.8,131.5) 103.34,132.03 J8.A20 ; C24.2 112.4,58.97 C25.2 110.84,60.4 v2(109.1,60.4) ; R56.1 149,121.61 U10.29 ; v1(91.4,131.5) 92.34,132.44 J8.A31 ; v1(141.5,77.5) 141.31,77.31 C59.3 ; C21.1 109.88,66.32 C20.1 ; v1(100.8,131.5) 100.34,131.97 J8.A23 ; C149.1 34.47,19.2 U9.41 ; C147.1 34.47,20.7 U9.41
  Bottom w0.508: C130.2 70.64,19.66 v2(70.7,19.6) ; C121.2 154.83,69.33 C96.1 154.83,66.72 C91.1 154.82,66 C124.2 157.76,64.56 v2(157.8,64.6) ; C121.2 154.78,72.08 C112.1 C107.1 C117.1 ; C121.2 157.22,70.68 v2(157.3,70.6) ; U7.57 156.73,87.63 C94.1 ; C57.1 159.93,74.33 v2(159.9,74.3) ; C57.1 160.51,75.38 C70.2 ; C57.1 C61.1 C63.1 ; v2(144.5,88.6) 143.77,87.87 C115.1 C76.1 C73.1 ; C64.1 150.28,83.83 U7.57 ; C116.1 153.93,87.48 U7.57 ; v1(147,78) 146.64,77.64 C81.1 C78.1 ; U7.57 156.73,81.63 C67.1 ; v2(139.7,91.9) 139.62,91.98 C105.1 139.62,94.47 C90.1 139.63,96 C100.1 139.66,97.62 139.77,97.74 139.86,97.74 ; v1(173.3,111.9) 173.29,111.91 C155.1 ; C72.1 150.45,85.32 U7.57 ; U7.57 151.83,81.23 C85.1 151.51,80.48 C83.1 ; C86.2 169.04,67.33 C77.1 ; C98.1 156.13,89.33 C93.1 155.43,87.65 U7.57 ; C120.1 152.43,87.3 U7.57 ; C92.1 C97.1 C102.1 147.53,68.17 v1(147.6,68.1) ; C71.1 156.56,83.13 U7.57 ; U7.57 153.33,81.05 C106.1 ; v1(159.95,34.75) 159.95,35.26 C188.2 ; C113.1 158.68,94.53 C122.2 160.09,98.34 160.73,98.34 ; v2(143.3,93.3) 143.33,93.33 C69.1 C65.1 ; U7.57 156.56,86.13 C114.1 ; C187.2 159.92,39.32 v1(159.92,39.4) ; C60.1 147.15,74.69 C66.2 148.52,76.68 v1(148,77.2) ; U7.57 156.33,80.7 C101.1 156.68,80.13 C62.1 ; C109.1 U7.57 ; C79.1 149.43,88.38 C119.1 150.63,88.33 C82.1 150.93,87.43 U7.57 150.63,86.83 C110.1 ; C127.2 66.44,18.34 v1(67,18.9) ; U7.57 154.83,80.88 C111.1 ; C68.1 C75.1 150.1,82.32 U7.57
  Bottom w0.762: U13.49 162.1,39.49 C196.1 ; U8.41 63.04,12.72 C131.1 ; C195.1 163.6,39.19 U13.49 163.8,39.09 ; J9.8 73.19,8.32 C126.1 ; C127.2 65.33,17.31 U8.41 ; U8.41 65.04,13.57 C128.2 65.05,12.22 C280.2 ; C104.1 C99.1 161.97,91.23 v2(162.6,90.6) ; C95.1 136.34,94.49 C123.2 134.94,97.04 v2(135,97.1) ; 61.6,13.59 61.04,13.02 C279.2 61.03,12.16 C133.2 57.14,10.27 57.09,10.27 57.09,8.67 55.34,6.92 C281.2 52.29,8.59 v2(52.5,8.8) ; C118.1 C108.1 C113.1 C103.1 ; U8.41 65.77,14.02 C129.2
  Bottom w1.27: U13.49 165.53,38.42 C185.2 ; U13.49 163.2,36.09 C188.2 160.75,36.11 C187.2 163.1,38.49 U13.49
  vias: v1(28,107.95) v1(28,105.25) v1(31.15,109.15) v1(31.15,107.45) v1(31.9,100.05) v1(31.9,97.4) v1(39.5,97.8) v1(39.5,95.6) v1(43.55,102.7) v1(45.2,102.7) v1(45.15,100.35) v1(46.75,102.75) v1(46.8,100.35) v1(48,51.25) v1(48.35,100.35) v1(48.4,102.75) v1(49.4,49.75) v1(50,100.35) v1(49.95,50.95) v1(50.6,48.45) v1(51.35,113.8) v1(51.6,50.8) v1(53.2,50.8) v1(53.15,48.55) v1(53.35,113.8) v1(54.85,112.8) v1(54.8,48.55) v1(56.3,112.8) v1(56.4,108.85) v1(58.05,112.8) v1(58,108.9) v1(59.5,112.8) v1(62.25,102.9) v1(64.9,102.9) v1(65.4,59.7) v1(65.45,101.4) v1(66,112.9) v1(67.03,106.05) v1(67.1,58.8) v1(67.2,59.7) v1(67.55,112.9) v1(68.1,101.4) v1(68.65,103.25) v1(68.95,59.8) v1(69.05,58.85) v1(69.15,112.8) v1(69.67,106.05) v1(70.75,112.8) v1(71,59.75) v1(70.95,58.75) v1(71.3,103.25) v1(72.3,91.1) v1(72.3,88.45) v1(72.95,60.45) v1(73.25,58.75) v1(75.2,94.9) v1(75.2,93.7) v1(75.2,91.8) v1(75.2,90.6) v1(75.25,88.95) v1(75.25,87.75) v1(75.25,85.85) v1(75.25,84.65) v1(75.65,60.45) v1(77.3,96.4) v1(77.3,95.2) v1(77.3,93.4) v1(77.3,92.2) v1(77.35,87.5) v1(77.35,86.2) v1(77.3,84.45) v1(77.3,83.2) v1(77.9,108.4) v1(77.9,105.8) v1(87.1,56.85) v1(88.2,97.4) v1(89.1,56.85) v1(90.2,97.4) v1(90.3,98.5) v1(92.6,129.9) v1(92.6,97.6) v1(92.7,98.5) v1(92.8,124.7) v1(92.8,122.3) v1(94.4,85.1) v1(94.6,97.6) v1(95.1,129.9) v1(95.6,99.1) v1(96.1,109.5) v1(96.1,108.3) v1(96.5,115.6) v1(96.65,129.9) v1(96.8,85.1) v1(96.9,124.7) v1(96.9,122.3) v1(96.9,97.5) v1(96.9,88.5) v1(97.3,114.7) v1(97.5,91.6) v1(97.8,97) v1(97.8,94.6) v1(98.2,71.4) v1(98.45,112.25) v1(99.05,129.9) v1(99.25,113.1) v1(99.3,108.8) v1(99.3,93.4) v1(99.3,88.5) v1(100.1,109.65) v1(100.65,129.8) v1(100.7,65.45) v1(100.8,71.4) v1(100.9,124.7) v1(100.9,122.3) v1(101.1,63) v1(101.9,64.95) v1(101.9,60.35) v1(102.65,67.25) v1(102.9,61.05) v1(103.05,129.8) v1(103.7,63.1) v1(103.7,58.45) v1(105.65,129.8) v1(105.8,124.7) v1(105.8,122.3) v1(107.9,74.8) v1(108,99) v1(108,96.8) v1(108.05,129.8) v1(109,105.4) v1(109.7,114.6) v1(109.75,127.95) v1(109.8,108.6) v1(110.4,74.8) v1(110.8,107.1) v1(111.35,112.85) v1(111.55,129.55) v1(111.8,44.5) v1(111.8,41.9) v1(112.3,108.6) v1(114.1,106.75) v1(116.8,106.8) v1(119.2,67.4) v1(119.7,31.2) v1(121.35,75.25) v1(121.35,59.65) v1(121.7,67.4) v1(122.3,31.2) v1(123.7,75.25) v1(123.9,59.65) v1(124.5,30.9) v1(124.95,55.1) v1(125.9,62.85) v1(125.9,60.85) v1(126.47,32.7) v1(126.65,53.1) v1(143.2,74.2) v1(143.2,71.6) v1(169.4,102.9) v1(172,102.9) v1(173.9,110.8) v1(173.9,108.2) v1(175.4,115.95) v1(175.4,113.45) v2(30.05,24.75) v2(30.25,17.9) v2(32.25,10.3) v2(39.75,10.45) v2(87.92,14.62) v2(97.7,8.7) v2(97.8,10.1) v2(98.8,8) v2(100.3,8) v2(101.5,10.1) v2(101.5,8.6) v2(113.1,60) v2(117.4,24.5) v2(117.4,22.8) v2(118.1,19.1) v2(118.5,24.5) v2(119.6,24.5) v2(119.7,20.4) v2(119.7,19.1) v2(120.9,109.2) v2(121.3,20.4) v2(121.5,19.1) v2(122.9,19) v2(123,23.9) v2(123,22.5) v2(123,20.9) v2(127.3,113.5) v2(127.8,16) v2(129.2,18.4) v2(129.2,17.3) v2(129.3,16) v2(129.3,14.5) v2(131.1,14.6) v2(133.3,30) v2(142,36.6) v2(143.5,34.75) v2(145.25,38.25) v2(145.25,36.5) v2(145.25,34.75) v2(148,38.25) v2(148,36.5) v2(148,34.75) v2(150.25,38.25) v2(150.25,36.5) v2(150.25,34.75) v2(152.15,20.75) v2(155.95,126.1) v2(156.95,54.6) v2(158.45,54.6) v2(159.5,126.1) v2(161.8,54.9) v2(161.95,110.45) v2(162.7,56.65) v2(166,74.5) v2(166.5,108.8) v2(167,80.5) v2(167.5,89) v2(168,94.5) v2(169,78.5) v2(169.45,56.4) v2(169.5,91) v2(171,95.5) v2(171.5,92) v2(172,78) v2(172,73) v2(172.75,11.45) v2(173.25,13.3) v2(173.3,127.25) v2(174.5,95.5) v2(174.5,92) v2(175,78) v2(175.5,73.5) v2(177.45,61.25) v2(177.45,57.6) v2(177.5,62.85) v2(178.7,11.5) v2(179.45,55.05) v2(179.5,41.25) v2(179.5,35) v2(180,51.55) v2(180.4,9.6) v2(182,41.25) v2(182,38.25) v2(182,35) v2(182.1,21.7) v2(185.75,41.25) v2(185.75,38.25) v2(185.75,35) v2(186.75,29) v2(187.8,19.3) v2(189.4,19.3) v2(189.75,28.75) v2(190.95,57.85) v2(191.05,63.05) v2(191.05,61.5) v2(191.2,21.1) v2(192,100.5) v2(192,69) v2(192.7,59.75) v2(193,88) v2(193,81.5) v2(193.05,55.35) v2(193.5,28.5) v2(194,65.5) v2(194.5,104) v2(197.5,89) v2(197.5,80) v2(197.5,65.5) v2(198,103.5)
